# Altium PCB MAIN.PcbDoc (part 1 of 2) (continued)
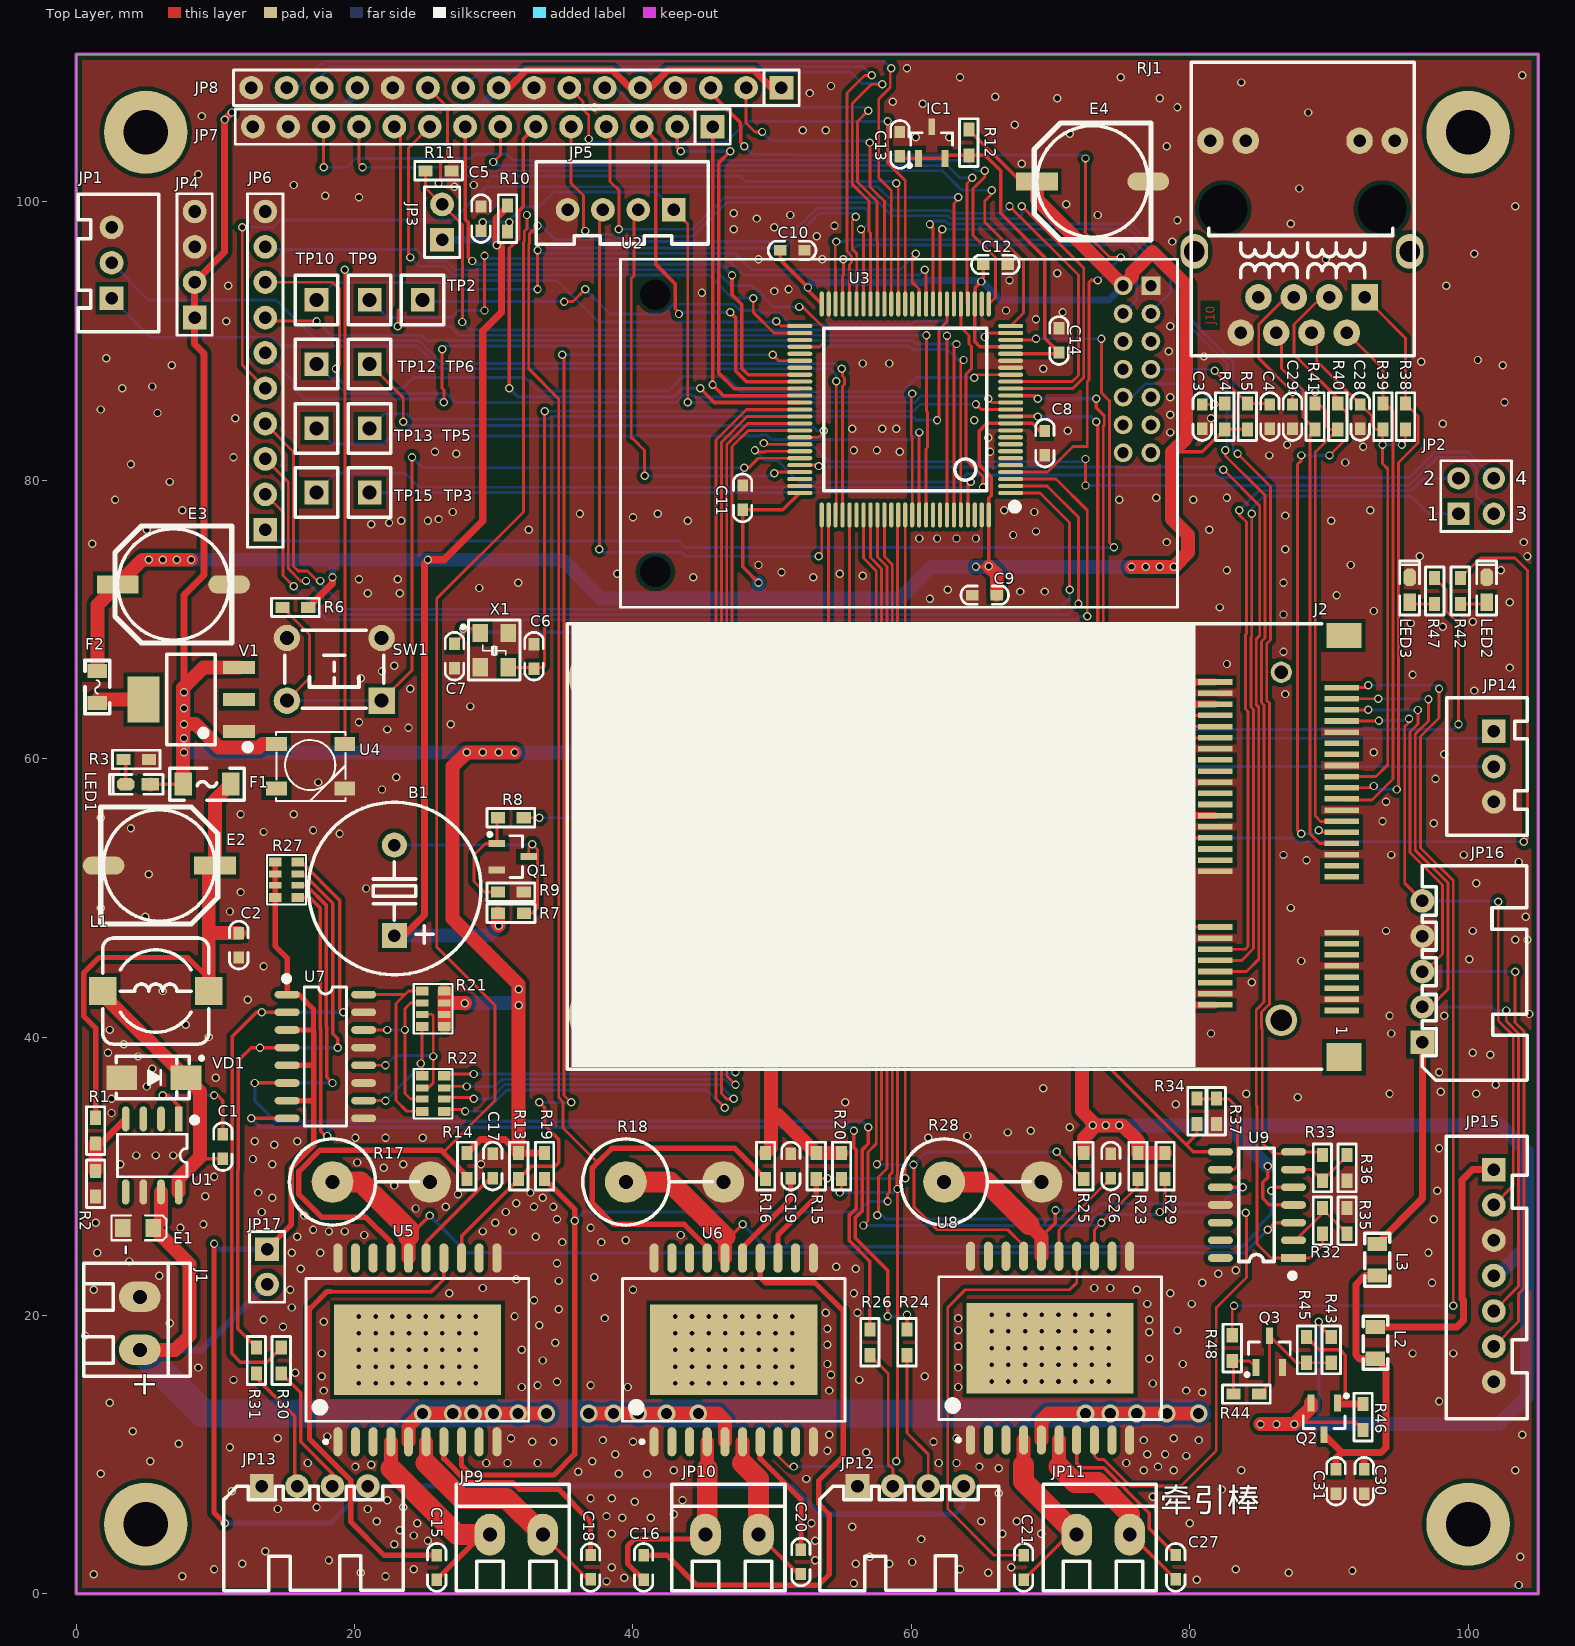
[diagram p0: Top Layer view]
## Footprints (in the part's own frame and the unit in brackets; to place one, negate y for a bottom-side part, rotate by r counter-clockwise, add the part's x,y. Pads: shape width x height; smd on the part's side, far side on the other; paste and mask are expansions set on the pad) (continued)
SMA [mm]
  rect 2.2x1.75 smd: 1(-2.3,0) 2(2.3,0)
  silkscreen extent -2.7,-1.52 3.56,1.52, body extent -2.53,-1.3 2.58,1.3, height 2.15
SO_POWERSO20 [mm]
  oval 2.1x0.65 smd: 1(-6.6,5.715) 2(-6.6,4.445) 3(-6.6,3.175) 4(-6.6,1.905) 5(-6.6,0.635) 6(-6.6,-0.635) 7(-6.6,-1.905) 8(-6.6,-3.175) 9(-6.6,-4.445) 10(-6.6,-5.715) 11(6.6,-5.715) 12(6.6,-4.445) 13(6.6,-3.175) 14(6.6,-1.905) 15(6.6,-0.635) 16(6.6,0.635) 17(6.6,1.905) 18(6.6,3.175) 19(6.6,4.445) 20(6.6,5.715)
  rect 6.5x12 smd: 21(0,0)
  silkscreen extent -6.73,-8 5.12,8, body extent -5.5,-8 5.5,8, height 3.6
SOP8_N [mm]
  rect 1.8x0.55 smd: 1(-2.625,1.905)
  oval 1.8x0.55 smd: 2(-2.625,0.635) 3(-2.625,-0.635) 4(-2.625,-1.905) 5(2.625,-1.905) 6(2.625,-0.635) 7(2.625,0.635) 8(2.625,1.905)
  silkscreen extent -2.69,-2.5 1.52,3.2, body extent -3,-2.5 3,2.5, height 1.9
SOP14_n [mm]
  rect 1.8x0.55 smd: 1(-2.625,3.81)
  oval 1.8x0.55 smd: 2(-2.625,2.54) 3(-2.625,1.27) 4(-2.625,0) 5(-2.625,-1.27) 6(-2.625,-2.54) 7(-2.625,-3.81) 8(2.625,-3.81) 9(2.625,-2.54) 10(2.625,-1.27) 11(2.625,0) 12(2.625,1.27) 13(2.625,2.54) 14(2.625,3.81)
  silkscreen extent -2.67,-4.06 1.31,5.21, body extent -3,-4.35 3,4.35, height 1.9
SOP16_n [mm]
  oval 1.8x0.55 smd: 1(-2.75,4.445) 2(-2.75,3.175) 3(-2.75,1.905) 4(-2.75,0.635) 5(-2.75,-0.635) 6(-2.75,-1.905) 7(-2.75,-3.175) 8(-2.75,-4.445) 9(2.75,-4.445) 10(2.75,-3.175) 11(2.75,-1.905) 12(2.75,-0.635) 13(2.75,0.635) 14(2.75,1.905) 15(2.75,3.175) 16(2.75,4.445)
  silkscreen extent -2.95,-5 1.52,5.74, body extent -3,-5 3,5, height 1.9
SOT23-3N [mm]
  rect 0.5x1.2 smd: 1(-0.95,-1.143) 2(0.95,-1.143) 3(0,1.143)
  silkscreen extent -1.72,-1.78 1.5,0.7, body extent -1.5,-1.2 1.5,1.2, height 1.05
SOT223_M [mm]
  rect 0.95x2.3 smd: 1(-2.3,-3.429) 2(0,-3.429) 3(2.3,-3.429)
  rect 3.3x2.3 smd: 2(0,3.429)
  silkscreen extent -3.63,-4.26 3.25,1.75, body extent -3.25,-3.51 3.25,3.51, height 1.65
"TEST TP1.4_BK" [mm]
  rect 1.7x1.7 hole 1: 1(0,0)
  silkscreen extent -1.78,-1.52 1.78,1.52, body extent -1.67,-1.4 1.67,1.4, height 5.41
"TSW DIP-6*6*6" [mm]
  rect 1.9x1.9 hole 1: 1(-3.4,2.25)
  round 1.9 hole 1: 2(-3.4,-2.25) 3(3.4,-2.25) 4(3.4,2.25)
  silkscreen extent -3.56,-2.79 3.56,2.79, body extent -4.11,-3 4.11,3, height 5.95
USR-WIFI232-A/B/D [mm]
  round 0 hole 2.2: 0(35.6,0.65) 0(35.6,20.55)
  rect 1.35x1.35 hole 0.8: 1(0,0)
  round 1.35 hole 0.8: 2(2,0) 3(0,2) 4(2,2) 5(0,4) 6(2,4) 7(0,6) 8(2,6) 9(0,8) 10(2,8) 11(0,10) 12(2,10) 13(0,12) 14(2,12)
  silkscreen extent -1.9,-1.9 38.1,23.1, body extent -1.91,-1.9 3.08,23.07, height 1.7
WS2812 [mm]
  rect 1.5x1 smd: 1(-0.079,-0.023) 2(-0.079,-3.223) 3(4.821,-3.223) 4(4.821,-0.023)
  silkscreen extent -0.13,-4.14 4.87,0.84
XH2.54-3P [mm]
  rect 1.7x1.7 hole 0.9: 1(0,0)
  round 1.7 hole 0.9: 2(2.54,0) 3(5.08,0)
  silkscreen extent -2.41,-3.38 7.47,2.39, body extent -2.5,-3.3 7.58,2.4, height 7.03
XH2.54-4P [mm]
  rect 1.7x1.7 hole 0.9: 1(0,0)
  round 1.7 hole 0.9: 2(2.54,0) 3(5.08,0) 4(7.62,0)
  silkscreen extent -2.49,-3.45 9.88,2.49, body extent -2.5,-3.3 10.12,2.4, height 7.03
XH2.54-4P_H [mm]
  rect 1.7x1.7 hole 0.9: 1(0,0)
  round 1.7 hole 0.9: 2(2.54,0) 3(5.08,0) 4(7.62,0)
  silkscreen extent -2.72,-7.53 10.16,0, body extent -2.5,-7.35 10.12,0.35, height 5.73
XH2.54-5P_H [mm]
  rect 1.7x1.7 hole 0.9: 1(0,0)
  round 1.7 hole 0.9: 2(2.54,0) 3(5.08,0) 4(7.62,0) 5(10.16,0)
  silkscreen extent -2.72,-7.53 12.7,0, body extent -2.5,-7.35 12.66,0.35, height 5.73
XH2.54-7P [mm]
  rect 1.7x1.7 hole 0.9: 1(0,0)
  round 1.7 hole 0.9: 2(2.54,0) 3(5.08,0) 4(7.62,0) 5(10.16,0) 6(12.7,0) 7(15.24,0)
  silkscreen extent -2.39,-3.43 17.91,2.39, body extent -2.5,-3.3 17.74,2.4, height 7.05
XTAL-3225 [mm]
  rect 1.1x1.3 smd: 1(-0.051,0.076) 2(-0.051,-2.388) 3(1.956,-2.388) 4(1.956,0.076)
  silkscreen extent -1.4,-3.3 2.79,1.02, body extent -0.34,-2.74 2.16,0.46, height 0.8

## Part data
LED1 LED2 LED3: library part LED-S
U1: library part TPS5430
U5 U6 U8: "电机驱动H桥"

## Free pads (board coordinates)
  round 6 hole 3.2: 0(5,5) 0(5,105) 0(100,5) 0(100,105)

## Via types
v1: diameter 0.6, hole 0.4, Top Layer to Bottom Layer, 826 vias
v2: diameter 0.66, hole 0.33, Top Layer to Bottom Layer, tented top, 120 vias
v3: diameter 1.27, hole 0.8, Top Layer to Bottom Layer, 16 vias

## Nets (pads, with @x,y where several pads share a name; then routed paths per layer and width w, separated by ;. In a path a pad name is that pad's centre, name@x,y a point inside that pad or via, vN(x,y) a via of type N, cw(c..) or ccw(c..) an arc to the next point about the centre after c; other vN are vias at no path point)
3.3V: B1.1 C8.2 C9.2 C10.2 C11.2 C12.2 E3.1 E4.1 F2.2 JP3.1 R4.1 R5.1 R6.1 R7.2 R10.2 R12.1 U2.2 U3.11 U3.22 U3.28 U3.50 U3.75 U3.100 | length 284.1
  Top Layer w0.254: v1(49.022,72.644) 47.879,73.787 C11.2@47.879,77.876 50.774,77.876 U3.75@51.988,79.09 ; C10.2@50.571,96.52 50.571,95.86 v1(52.578,93.853) 52.578,93.651 U3.50@53.563,92.666 ; R12.1@64.135,105.194 67.856,101.473 E4.1@69.025,101.473 ; v1(64.643,73.787) 65.532,73.787 v1(65.563,73.818) U3.100@65.563,77.515 65.563,78.704 65.756,78.897 65.756,80.234 64.897,81.093 64.897,83.566 65.421,84.09 U3.11@67.138,84.09 68.691,84.09 69.24,83.541 C8.2@69.596,83.541 ; C12.2@65.176,95.504 65.176,94.439 64.608,93.87 64.608,92.711 U3.28@64.563,92.666 64.549,92.652 64.549,89.969 64.928,89.59 U3.22@67.138,89.59 ; 78.74,82.042 80.91,82.042 R4.1@82.523,83.655 R5.1@84.146,83.655
  Top Layer w0.508: R6.1@16.675,70.866 18.415,72.606 v1(18.415,73.025) ; B1.1@22.86,47.296 23.547,47.296 25.019,48.768 25.019,74.041 v1(25.273,74.295) 26.416,74.295 29.21,77.089 29.21,90.729 30.556,92.075 30.556,96.792 30.156,97.192 30.156,98.819 30.988,99.651 R10.2@30.988,99.733
  Top Layer w1: F2.2@1.524,66.294 1.524,71.056 E3.1@2.985,72.517 4.763,74.295 v1(5.207,74.295) v1(6.223,74.295) v1(7.239,74.295) v1(8.255,74.295) ; R7.2@30.315,48.895 30.315,48.044 v1(30.353,48.006) ; v1(65.563,73.818) 66.142,73.239 C9.2@66.142,71.755 ; E4.1@69.025,101.473 69.025,100.171 U2.2@75.216,93.98 75.863,94.627 75.863,94.936 77.332,96.404 79.756,93.98 79.756,83.058 78.74,82.042 78.74,77.216 79.883,76.073 79.883,74.803 v1(78.867,73.787) v1(77.851,73.787) v1(76.835,73.787) v1(75.819,73.787)
  Bottom Layer w0.508: v1(18.415,73.025) 18.415,74.295 ; JP3.1@26.289,97.282 29.845,97.282 v1(30.226,96.901) ; v1@52.451,93.853 52.807,94.209 60.8,94.209 60.952,94.361 65.024,94.361 66.421,92.964 74.2,92.964 U2.2@75.216,93.98
  Bottom Layer w1: v1(5.207,74.295) v1(6.223,74.295) v1(7.239,74.295) v1(8.255,74.295) 18.415,74.295 v1(25.273,74.295) 34.925,74.295 37.702,71.518 49.022,71.518 ; B1.1@22.86,47.296 29.643,47.296 v1(30.353,48.006) ; v1(49.022,72.644) 49.022,71.518 ; v1@78.74,73.787 v1(77.851,73.787) v1(76.835,73.787) v1(75.819,73.787) v1(64.643,73.787) 61.468,73.787 59.199,71.518 49.022,71.518
  other v1: 65.024,94.286
5V: F1.2 J2.2 J2.28 J2.48 J2.52 JP4.1 JP4.2 JP8.1 JP8.5 JP8.9 JP8.13 JP15.4 LED1.1 Q2.2 R13.2 R14.2 R15.2 R16.2 R19.2 R20.2 R21.5 R21.6 R21.7 R21.8 R23.2 R25.2 R29.2 R43.2 R46.1 U4.1 U9.4 V1.3 | length 449.9
  Top Layer w0.254: LED1.1@5.34,58.166 F1.2@7.683,58.166 ; v1(85.598,30.734) 85.598,29.912 85.247,29.561 85.247,28.418 85.725,27.94 U9.4@87.461,27.94 ; v1(87.503,12.192) 87.646,12.335 91.894,12.335 R46.1@92.456,11.773 ; v1(89.281,19.558) 89.281,19.342 R43.2@90.17,18.453
  Top Layer w0.508: v1(7.747,64.77) 7.747,65.151 7.747,71.755 9.187,73.195 9.187,89.111 8.509,89.789 JP4.1@8.509,91.694 JP4.2@8.509,94.234 10.668,96.393 v1(10.668,105.918) v1(11.176,106.426) ; R14.2@28.067,31.662 29.044,32.639 30.816,32.639 R13.2@31.792,31.662 R19.2@33.655,31.662 ; JP8.9@30.353,108.204 31.08,108.204 32.362,109.486 38.504,109.486 39.786,108.204 JP8.5@40.513,108.204 41.24,108.204 42.522,109.486 48.664,109.486 49.946,108.204 JP8.1@50.673,108.204 ; v1(74.422,60.452) v1(75.184,60.452) v1(75.946,60.452) v1(76.708,60.452) ; J2.2@81.832,42.31 81.813,42.291 77.724,42.291 76.708,43.307 76.708,55.88 ; J2.28@81.832,55.91 76.738,55.91 76.708,55.88 ; J2.48@81.832,63.91 78.203,63.91 78.105,64.008 ; J2.52@81.832,65.51 78.718,65.51 78.105,64.897 78.105,64.008 ; 76.708,55.88 v1(76.708,60.452) ; v1(76.708,60.452) 78.105,61.849 78.105,64.008
  Top Layer w1: LED1.1@5.334,58.159 LED1.1@5.34,58.166 ; F1.2@7.683,58.166 7.683,65.087 7.747,65.151 9.158,66.562 V1.3@11.684,66.562 ; v1(7.747,62.484) 8.578,62.484 10.253,60.809 13.115,60.809 13.37,61.064 U4.1@14.399,61.064 ; R21.5@26.454,40.757 R21.6@26.454,41.637 R21.7@26.454,42.437 ; R21.8@26.454,43.317 R21.7@26.454,42.437 ; v1@27.94,42.418 v1(27.921,42.437) R21.7@26.454,42.437 ; v1(31.496,60.452) v1(30.353,60.452) v1(29.21,60.452) v1(28.067,60.452) 27.051,59.436 27.051,48.514 31.792,43.773 v1(31.792,43.434) v1(31.792,42.291) R13.2@31.792,31.662 ; R16.2@49.53,31.662 49.911,32.043 49.911,34.417 ; v1(51.181,60.452) v1(49.911,60.452) 49.911,34.417 ; R20.2@54.991,31.662 R15.2@53.171,31.662 50.416,34.417 49.911,34.417 ; v1(71.12,60.452) v1(72.263,60.452) 72.263,34.671 v1@73.279,33.655 ; R25.2@72.39,31.662 72.39,32.766 v1@73.279,33.655 ; R29.2@78.232,31.662 R23.2@76.285,31.662 76.285,32.554 75.184,33.655 v1(74.93,33.655) v1(73.977,33.655) v1@73.279,33.655 ; v1(85.09,12.192) v1(86.233,12.192) v1(87.503,12.192) ; v1@87.646,12.335 88.712,13.401 Q2.2@88.712,13.716
  Bottom Layer w0.254: 88.646,12.192 89.281,12.827 v1(89.281,19.558)
  Bottom Layer w0.508: v1(10.668,105.918) v1(11.176,106.426) 11.557,106.807 19.177,106.807 ; JP8.13@20.193,108.204 20.193,107.823 19.177,106.807 ; JP8.9@30.353,108.204 28.956,106.807 19.177,106.807
  Bottom Layer w1: v1(7.747,64.77) v1(7.747,63.627) v1(7.747,62.484) v1(7.747,61.468) v1(7.747,60.452) v1(28.067,60.452) v1(29.21,60.452) v1(30.353,60.452) v1(31.496,60.452) v1(49.911,60.452) v1(51.181,60.452) v1(71.12,60.452) v1(72.263,60.452) v1(74.422,60.452) v1(75.184,60.452) v1(75.946,60.452) 76.581,60.452 76.708,60.579 v1(76.708,60.452) ; v1(27.921,42.437) 31.646,42.437 v1(31.792,42.291) v1(31.792,43.434) ; v1(73.025,33.655) v1(73.977,33.655) v1(74.93,33.655) 82.677,33.655 ; v1(85.09,12.192) v1(86.233,12.192) v1(87.503,12.192) 88.646,12.192 102.235,12.192 104.224,14.181 104.224,24.976 ; v1(85.598,30.734) 82.677,33.655 ; JP15.4@102.108,22.86 104.224,24.976 ; 82.677,33.655 102.362,33.655 104.224,31.793 104.224,24.976
BEEP_PWM: R8.1 U3.77 | length 43.7
  Top Layer w0.203: R8.1@32.157,55.753 v1(33.274,55.753) ; U3.77@54.063,77.515 54.063,55.792 v1(54.102,55.753)
  Bottom Layer w0.203: v1(33.274,55.753) v1(54.102,55.753)
BOOT0: JP3.2 R11.1 U3.94 | length 60.3
  Top Layer w0.203: R11.1@25.108,102.235 25.108,101.003 JP3.2@26.289,99.822 27.749,98.361 v1(27.749,91.376) ; U3.94@62.563,77.515 v1(62.563,90.376) v1@62.611,90.424
  Bottom Layer w0.203: v1(27.749,91.376) 28.321,90.805 60.198,90.805 60.452,91.059 61.88,91.059 v1(62.563,90.376)
CA: R17.1 U5.16 U9.3 | length 75.1
  Top Layer w0.254: 23.876,25.654 v1(25.4,27.178) ; v1(85.598,26.162) 86.106,26.67 U9.3@87.461,26.67
  Top Layer w1: U5.16@23.876,24.126 23.876,25.654
  Top Layer w1.5: R17.1@18.415,29.591 20.447,29.591 23.876,26.162 23.876,25.654
  Bottom Layer w0.254: v1(25.4,27.178) 28.067,24.511 83.947,24.511 v1(85.598,26.162)
CB: R18.1 U6.16 U9.5 | length 55.1
  Top Layer w0.254: 46.609,25.654 46.99,25.654 v1(47.879,26.543) ; v1(85.852,28.956) 86.106,29.21 U9.5@87.461,29.21
  Top Layer w1: U6.16@46.609,24.126 46.609,25.654
  Top Layer w1.5: R18.1@39.497,29.591 42.672,29.591 46.609,25.654
  Bottom Layer w0.254: v1(47.879,26.543) 49.479,24.943 83.768,24.943 84.963,26.138 84.963,26.416 85.852,27.305 v1(85.852,28.956)
CBUSY: J2.8 U3.71 | length 70.5
  Top Layer w0.203: U3.71@51.988,81.09 53.276,81.09 v1(53.34,81.026) ; J2.8@81.832,44.71 84.08,44.71 84.963,45.593 84.963,63.692 84.779,63.877 84.779,68.584 85.034,68.84 85.034,78.161 v1(82.423,80.772)
  Bottom Layer w0.203: v1(53.34,81.026) 53.415,80.951 81.99,80.951 82.042,80.899 82.296,80.899 v1(82.423,80.772)
CC: R28.1 U8.16 U9.10 | length 27.7
  Top Layer w0.254: 69.342,25.654 70.358,26.67 v1(70.358,27.559) ; U9.10@82.211,29.21 v1(83.82,29.21)
  Top Layer w1: 68.707,26.289 69.342,25.654 U8.16@69.342,24.253
  Top Layer w1.5: R28.1@62.357,29.591 65.405,29.591 68.453,26.543
  Bottom Layer w0.254: v1(70.358,27.559) 73.155,27.559 73.633,28.037 82.266,28.037 83.439,29.21 v1(83.82,29.21)
CRX: J2.10 JP2.1 | length 50.7
  Top Layer w0.203: J2.10@81.832,45.51 83.737,45.51 84.582,46.355 84.582,63.535 84.398,63.719 84.398,68.742 84.455,68.799 v1(84.455,77.597)
  Bottom Layer w0.203: v1(84.455,77.597) 84.455,77.724 84.328,77.851 85.344,78.867 95.885,78.867 97.155,77.597 JP2.1@99.314,77.597
CTX: J2.12 JP2.2 | length 50.8
  Top Layer w0.203: J2.12@81.832,46.31 83.998,46.31 84.201,46.513 84.201,63.377 84.017,63.561 84.017,68.9 84.074,68.957 84.074,77.003 83.566,77.511 v1(83.566,77.851)
  Bottom Layer w0.203: v1(83.566,77.851) 84.963,79.248 95.916,79.248 96.805,80.137 JP2.2@99.314,80.137
CURA: R32.2 U3.33 U9.1 | length 102.9
  Top Layer w0.203: U3.33@62.063,92.666 62.063,98.171 62.19,98.044 v1(62.23,98.044) ; v1(82.55,82.169) 82.55,81.788 85.415,78.923 85.415,68.682 85.16,68.426 85.16,64.035 85.344,63.85 85.344,42.522 84.779,41.957 84.779,35.109 ; 84.836,35.052 84.836,25.146 85.852,24.13 U9.1@87.461,24.13 88.646,24.13 89.535,25.019 R32.2@89.535,25.87
  Bottom Layer w0.203: v1(62.23,98.044) 75.661,98.044 79.053,94.653 79.053,92.016 82.677,88.392 82.677,82.296 v1(82.55,82.169)
CURB: R33.2 U3.34 U9.7 | length 95.6
  Top Layer w0.203: v1(61.341,98.393) 61.563,98.171 U3.34@61.563,92.666 ; v1(83.439,81.915) 85.796,79.558 85.796,68.524 85.541,68.269 85.541,64.192 85.725,64.008 85.725,42.365 85.16,41.799 85.16,40.621 85.217,40.563 85.217,32.385 85.979,31.623 87.334,31.623 U9.7@87.461,31.75 89.319,31.75 R33.2@89.535,31.534
  Bottom Layer w0.203: v1(61.341,98.393) 61.571,98.623 62.47,98.623 62.668,98.425 75.819,98.425 79.502,94.742 79.502,92.106 83.129,88.478 83.129,82.098 v1@83.185,82.042
CURC: R34.2 U3.15 U9.8 | length 67
  Top Layer w0.203: 73.787,38.227 73.787,83.89 73.858,83.961 73.858,84.638 73.787,84.709
  Top Layer w0.254: U3.15@67.138,86.09 68.834,86.09 v1(69.072,85.852) ; v1(73.279,85.852) 73.279,85.217 73.787,84.709 ; 73.787,38.227 79.756,32.258 ; R34.2@80.518,33.744 80.518,33.02 79.756,32.258 ; U9.8@82.211,31.75 80.264,31.75 79.756,32.258
  Bottom Layer w0.254: v1(69.072,85.852) v1(73.279,85.852)
DRX: J2.46 JP14.2 | length 29.9
  Top Layer w0.203: v1@79.121,63.119 v1(79.13,63.11) J2.46@81.832,63.11
  Bottom Layer w0.203: v1(79.13,63.11) 78.232,62.212 78.232,60.198 78.994,59.436 JP14.2@101.854,59.436
DTX: J2.42 JP14.1 | length 25.7
  Top Layer w0.203: v1(79.121,61.468) 79.163,61.51 J2.42@81.832,61.51
  Bottom Layer w0.203: v1(79.121,61.468) 101.346,61.468 JP14.1@101.854,61.976
ENABLE_A: R14.1 U3.45 U5.17 | length 130.5
  Top Layer w0.203: 26.375,31.709 30.099,35.433 30.099,42.291 25.908,46.482 25.908,71.501 32.131,77.724 32.131,97.108 32.187,97.164 32.187,97.876 32.385,98.075 v1(32.385,99.06) ; v1(56.007,98.933) 55.753,98.679 55.753,96.608 56.078,96.283 56.078,92.681 U3.45@56.063,92.666
  Top Layer w0.381: U5.17@22.606,24.126 22.606,25.273 20.828,27.051 17.653,27.051 16.002,28.702 16.002,30.353 17.526,31.877 26.208,31.877 26.375,31.709 28.067,30.018 R14.1@28.067,29.808
  Bottom Layer w0.203: v1(32.385,99.06) 32.385,98.241 33.923,96.703 50.886,96.703 53.371,99.187 55.753,99.187 v1(56.007,98.933)
ENABLE_B: R16.1 U3.44 U6.17 | length 128.9
  Top Layer w0.203: v1(33.147,98.298) 32.568,97.719 32.568,97.006 32.512,96.95 32.512,88.011 34.671,85.852 34.671,35.656 34.981,35.347 34.981,33.472 37.465,30.988 ; v1@56.388,98.059 v1(56.388,98.044) 56.563,97.869 U3.44@56.563,92.666
  Top Layer w0.381: U6.17@45.339,24.126 45.339,24.892 43.688,26.543 38.608,26.543 37.084,28.067 37.084,30.607 37.465,30.988 38.481,32.004 47.334,32.004 R16.1@49.53,29.808
  Bottom Layer w0.203: v1(33.147,98.298) 33.401,98.298 34.417,97.282 38.393,97.282 38.591,97.084 39.387,97.084 39.458,97.155 50.8,97.155 53.213,99.568 56.658,99.568 56.896,99.33 56.896,98.425 56.515,98.044 v1(56.388,98.044)
ENABLE_C: R25.1 U3.83 U8.17 | length 76
  Top Layer w0.203: U3.83@57.063,77.515 57.063,74.447 57.868,73.643 57.868,31.198 v1(57.531,30.861) ; v1@60.198,30.821 60.198,27.813 61.849,26.162 66.929,26.162 68.072,25.019 U8.17@68.072,24.253 ; v1(70.448,31.75) R25.1@72.39,29.808
  Bottom Layer w0.203: v1(57.531,30.861) v1(60.158,30.821) 61.087,31.75 v1(70.448,31.75)
ETH_RREF: C29.2 J2.27 R40.1 R41.1 RJ1.5 | length 46.3
  Top Layer w0.203: C29.2@87.389,85.445 v1(87.389,86.347) 84.963,88.773 84.963,91.186 86.54,92.763 RJ1.5@87.863,92.763 ; v1(89.027,86.36) 89.014,86.347 R41.1@89.014,85.509 89.243,85.509 89.789,84.963 89.789,83.947 90.081,83.655 R40.1@90.636,83.655 89.027,82.046 89.027,55.88 89.408,55.499 90.921,55.499 J2.27@90.932,55.51
  Bottom Layer w0.203: v1(87.389,86.347) 89.014,86.347 v1(89.027,86.36)
ETH_RX+: J2.25 R40.2 RJ1.3 | length 47.6
  Top Layer w0.203: v1(88.011,54.61) 87.757,54.864 87.757,81.153 88.011,81.407 v1(88.011,81.788) ; v1(89.281,54.864) 89.435,54.71 J2.25@90.932,54.71 ; v1(90.043,81.788) 91.123,82.867 91.152,82.867 91.316,83.031 91.316,84.279 91.313,84.281 91.313,84.832 R40.2@90.636,85.509 90.636,85.894 87.503,89.027 87.503,91.186 89.08,92.763 RJ1.3@90.403,92.763
  Bottom Layer w0.203: v1(88.011,54.61) 89.027,54.61 v1(89.281,54.864) ; v1(88.011,81.788) v1(90.043,81.788)
ETH_RX-: J2.23 R41.2 RJ1.6 | length 39.3
  Top Layer w0.203: RJ1.6@86.593,90.223 86.593,88.032 88.138,86.487 88.138,84.546 89.014,83.67 R41.2@89.014,83.655 88.646,83.287 88.646,54.61 89.346,53.91 J2.23@90.932,53.91
ETH_TREF: C28.2 J2.35 R38.1 R39.1 RJ1.4 | length 39.4
  Top Layer w0.203: RJ1.4@89.133,90.223 89.133,88.569 C28.2@92.257,85.445 93.091,84.611 93.091,83.947 93.383,83.655 R39.1@93.881,83.655 93.853,83.627 v1(93.853,82.55) 93.853,81.215 94.234,80.834 94.234,59.563 93.381,58.71 J2.35@90.932,58.71 ; v1(95.25,82.55) 95.504,82.804 R38.1@95.504,83.655
  Bottom Layer w0.203: v1(93.853,82.55) v1(95.25,82.55)
ETH_TX+: J2.33 R38.2 RJ1.1 | length 41.1
  Top Layer w0.203: J2.33@90.932,57.91 93.089,57.91 v1(93.218,58.039) ; RJ1.1@92.943,92.763 95.504,90.202 R38.2@95.504,85.509 96.393,84.62 96.393,82.677 94.996,81.28 94.996,57.912 v1(94.869,57.785)
  Bottom Layer w0.203: v1(93.218,58.039) 93.472,57.785 v1(94.869,57.785)
ETH_TX-: J2.31 R39.2 RJ1.2 | length 37.4
  Top Layer w0.203: J2.31@90.932,57.11 91.019,57.023 93.091,57.023 94.615,58.547 94.615,84.963 94.069,85.509 R39.2@93.881,85.509 93.881,88.015 RJ1.2@91.673,90.223
GND: C2.1 C3.1 C4.1 C5.2 C6.2 C7.2 C8.1 C9.1 C10.1 C11.1 C12.1 C13.1 C14.1 C17.1 C19.1 C26.1 C28.1 C29.1 C30.1 C31.1 E1.2 E2.2 E3.2 E4.2 IC1.3 J1.1 J2.3 J2.4 J2.9 J2.14 J2.15 J2.18 J2.21 J2.26 J2.29 J2.34 J2.37 J2.40 J2.43 J2.50 J2.53 J2.54 JP1.3 JP4.3 JP4.4 JP5.4 JP6.10 JP7.13 JP7.14 JP8.4 JP8.8 JP8.12 JP8.16 JP12.1 JP13.1 JP14.3 JP15.3 JP15.7 JP16.4 LED2.2 LED3.2 Q1.2 Q3.2 R2.1 R3.1 R9.2 R11.2 R17.2 R18.2 R28.2 R35.1 R36.1 R37.1 RJ1.8 RJ1.9 RJ1.10 RJ1.11 RJ1.12 SW1.2 SW1.3 U1.6 U2.1 U3.10 U3.19 U3.20 U3.27 U3.49 U3.74 U3.99 U4.3 U5.1 U5.10 U5.11 U5.20 U6.1 U6.10 U6.11 U6.20 U7.9 U7.11 U7.13 U7.15 U8.1 U8.10 U8.11 U8.20 U9.11 V1.1 VD1.1 X1.2 X1.4
  other v1: 103.632,0.635 55.88,0.762 38.1,0.889 80.518,1.016 39.37,1.143 7.62,1.27 22.225,1.27 1.27,1.397 20.447,1.524 65.532,1.524 87.122,1.524 91.694,1.651 9.906,1.778 24.257,1.778 63.5,1.778 83.312,1.778 38.481,1.905 67.183,1.905 11.938,2.159 56.007,2.159 58.42,2.159 60.071,2.286 18.161,2.413 53.086,2.413 57.023,2.667 103.759,2.667 13.589,3.048 22.86,3.556 25.273,3.81 53.086,3.81 60.706,3.937 24.257,4.191 38.481,4.318 66.548,4.318 69.342,4.318 23.241,4.572 55.753,4.826 24.511,5.08 52.832,5.08 80.01,5.08 21.59,5.207 65.024,5.207 67.564,5.207 39.243,5.461 41.275,5.461 38.1,5.588 42.926,5.715 14.478,6.096 20.955,6.096 17.272,6.223 23.495,6.223 40.132,6.604 22.352,6.731 43.561,6.731 36.957,6.858 38.481,6.858 77.343,6.985 66.294,7.239 11.176,7.366 82.296,7.493 52.451,8.255 1.778,8.636 38.989,8.636 41.021,8.636 36.068,8.763 42.926,8.89 76.708,8.89 78.867,8.89 83.693,8.89 103.378,8.89 66.294,9.017 20.066,9.144 64.897,9.144 77.724,9.144 21.209,9.271 16.637,9.398 29.464,9.398 30.988,9.398 33.147,9.398 61.976,9.398 63.246,9.398 75.438,9.398 5.334,9.525 37.084,9.525 79.756,9.906 38.735,10.033 76.962,10.033 78.232,10.033 56.769,10.16 53.975,10.287 11.049,10.541 7.366,10.795 32.766,10.922 34.29,10.922 40.005,10.922 61.595,10.922 37.846,11.049 76.708,11.049 80.645,11.049 14.478,11.176 31.242,11.176 63.246,11.176 78.867,11.176 18.034,11.303 54.102,11.43 103.886,11.43 4.064,11.684 2.413,13.716 97.917,13.843 80.899,14.478 17.78,14.605 54.102,14.605 79.756,14.605 32.004,14.859 39.624,14.859 63.373,14.859 33.147,14.986 36.957,14.986 77.343,15.113 34.544,15.24 11.303,15.367 56.261,15.367 17.653,15.621 60.96,15.621 54.229,15.748 15.748,15.875 8.763,16.256 63.373,16.256 53.975,16.51 79.502,16.51 33.528,16.764 77.089,16.891 17.653,17.272 96.012,17.272 98.933,17.272 32.004,17.526 63.373,17.78 53.975,17.907 34.417,18.034 0.635,18.542 77.089,18.796 63.373,18.923 79.121,18.923 53.975,19.05 14.859,19.177 33.274,19.304 6.731,19.431 17.78,19.558 13.462,19.685 77.089,19.685 37.973,19.812 63.373,19.812 31.496,19.939 53.848,20.193 56.134,20.193 34.671,20.447 15.494,20.574 76.962,20.828 80.137,20.828 32.893,21.082 26.797,21.59 55.88,21.59 78.613,21.59 1.27,21.844 15.367,21.844 40.005,21.844 76.2,21.844 29.21,21.971 73.152,21.971 74.295,21.971 80.899,22.352 97.409,22.352 34.671,22.479 31.623,22.606 37.211,22.733 5.969,22.86 82.042,22.987 83.312,23.241 16.129,23.368 56.007,23.368 54.61,23.495 34.544,23.749 3.81,23.876 1.524,24.511 15.494,24.511 17.526,24.511 97.155,24.511 34.925,25.273 37.719,25.273 39.497,25.4 15.875,25.654 33.02,25.654 20.701,25.781 43.434,25.781 18.161,26.035 19.304,26.035 29.21,26.035 31.369,26.035 17.018,26.162 7.493,26.289 36.957,26.289 9.144,26.543 1.397,26.67 30.099,26.67 34.544,26.924 97.536,26.924 16.383,27.178 13.335,27.432 30.861,27.432 24.384,27.686 26.543,27.813 32.893,27.813 34.29,27.813 31.623,28.067 14.097,28.448 33.528,28.448 9.271,28.575 27.432,28.702 13.081,28.829 32.639,28.829 97.79,28.956 22.86,29.337 9.906,29.972 22.098,30.607 3.175,30.861 14.097,30.861 23.495,30.861 29.083,30.861 20.193,30.988 12.7,31.242 4.318,31.496 5.715,31.496 6.985,31.496 97.917,32.004 14.224,32.258 12.827,32.512 15.875,32.512 20.066,32.766 22.225,32.766 24.892,32.766 61.214,32.766 64.008,32.893 66.929,33.147 68.58,33.274 71.374,33.528 2.54,34.544 78.994,35.179 55.245,35.306 2.54,35.56 87.757,35.687 84.074,35.941 94.361,35.941 100.584,35.941 98.044,36.068 69.469,36.322 5.08,36.449 101.981,36.576 10.033,37.084 97.917,37.465 5.461,37.719 75.692,38.354 4.445,38.608 101.6,38.735 2.286,38.862 100.33,38.862 79.121,39.37 3.429,39.497 9.525,40.005 81.534,40.259 94.488,40.259 43.307,40.386 2.413,40.513 53.086,40.64 7.874,40.894 75.057,41.021 64.643,41.275 94.361,41.529 98.298,41.529 104.394,41.656 12.319,42.672 6.223,43.307 68.072,43.434 79.502,43.434 78.105,43.688 84.455,43.942 62.992,44.958 13.462,45.085 88.011,45.466 100.076,45.593 77.597,46.736 79.375,46.736 37.973,46.99 74.803,46.99 103.378,46.99 104.267,46.99 42.418,47.498 48.26,47.498 94.107,47.625 100.33,47.625 4.953,48.641 63.119,48.641 75.565,48.641 104.14,48.641 77.597,48.768 11.049,49.022 1.778,49.276 87.249,49.276 69.723,50.038 11.811,50.419 20.828,50.673 100.584,51.054 5.207,51.689 48.26,51.689 53.848,51.689 64.77,51.816 68.326,51.943 41.529,52.451 43.561,52.451 79.502,52.451 103.632,52.578 88.392,52.705 37.211,52.959 86.741,53.086 94.488,53.086 99.695,53.086 66.167,53.594 48.26,54.483 18.923,54.61 13.462,54.737 17.018,54.864 3.937,54.991 77.597,55.118 61.595,55.245 97.536,55.372 74.803,55.499 93.853,55.499 1.778,55.753 11.811,56.007 15.621,56.007 70.739,56.261 62.23,56.769 77.597,56.769 94.107,56.896 52.197,57.15 79.756,57.15 41.656,57.531 21.971,57.785 60.833,57.912 64.516,58.039 48.26,58.166 68.072,58.166 17.399,58.293 70.231,58.547 97.663,58.547 22.987,58.674 36.576,58.674 44.45,58.674 70.993,59.055 75.438,59.309 77.851,59.436 79.375,60.325 98.298,60.325 93.218,60.452 63.5,61.722 44.958,61.849 36.83,61.976 61.087,61.976 22.352,62.103 69.088,62.103 23.876,62.23 26.924,62.484 52.197,62.484 20.32,62.611 38.735,62.611 75.565,62.611 49.149,63.119 28.321,63.754 70.866,63.754 42.164,64.516 86.868,64.643 51.181,64.897 75.565,64.897 100.457,64.897 24.003,65.024 65.786,65.151 72.263,65.405 61.976,65.532 20.447,65.786 96.012,66.04 67.564,66.167 21.971,66.294 68.834,66.294 49.022,66.548 102.997,66.548 22.86,66.675 51.689,66.675 71.374,66.802 82.677,66.802 52.832,67.437 41.91,67.564 44.577,67.564 86.741,67.691 77.597,67.945 69.215,68.072 72.898,68.072 61.595,68.199 65.024,68.199 75.692,69.215 98.171,69.469 95.885,69.723 100.33,69.85 86.741,70.358 93.218,70.612 82.169,70.866 102.997,71.247 61.341,71.501 90.551,71.755 20.955,71.882 23.241,71.882 67.818,72.009 69.596,72.009 62.611,72.136 28.956,72.263 31.75,72.644 86.741,72.644 20.32,72.898 23.114,72.898 44.323,73.025 52.959,73.025 56.515,73.152 38.862,73.279 54.864,73.279 50.673,73.406 82.677,73.533 102.362,73.533 49.022,73.914 91.567,73.914 96.52,74.549 104.267,74.549 86.868,75.057 1.143,75.438 78.359,75.565 104.013,75.565 60.579,75.819 61.849,75.819 63.246,75.819 64.643,75.819 67.31,76.073 68.961,76.327 5.08,76.454 32.512,76.454 81.407,76.454 21.209,76.835 22.479,76.962 23.368,77.089 25.273,77.089 43.942,77.089 90.17,77.089 26.035,77.216 40.005,77.343 86.868,77.47 36.195,77.597 41.783,77.597 27.051,77.724 68.834,77.724 7.62,77.851 66.675,77.851 92.964,77.851 2.794,78.613 74.93,78.613 80.264,78.613 77.597,78.74 82.677,78.74 6.731,79.883 3.937,81.153 91.186,81.28 11.303,81.661 85.725,81.788 27.305,81.915 25.781,82.042 59.182,82.042 65.659,82.042 55.88,82.169 57.531,82.169 92.456,82.423 86.995,82.55 65.532,83.058 78.613,83.439 71.247,83.566 55.753,83.693 57.912,83.693 58.928,83.693 98.171,84.074 64.516,84.328 11.43,84.455 81.534,84.455 78.613,84.709 5.842,84.836 1.778,85.09 102.616,85.598 78.613,85.979 3.302,86.614 5.461,86.741 69.469,88.011 6.858,88.265 102.489,88.265 56.515,88.392 58.42,88.392 96.647,88.519 100.711,88.646 2.159,88.773 81.026,88.9 78.486,89.281 78.613,91.059 10.795,91.44 68.961,91.567 70.866,92.075 66.802,92.202 44.958,93.472 50.165,93.599 51.181,93.726 10.922,93.98 98.425,93.98 67.056,94.361 70.485,94.869 49.022,95.885 53.594,95.885 89.789,95.885 100.457,96.266 78.74,97.155 53.213,97.536 47.244,98.044 50.165,98.171 54.483,98.298 87.249,98.425 79.121,98.679 48.895,98.806 51.308,99.06 73.406,99.06 47.244,99.187 103.378,99.695 71.12,99.822 20.32,100.33 17.907,100.457 87.884,100.965 27.178,101.092 15.621,101.219 28.575,101.219 8.763,101.981 67.945,102.743 78.359,104.013 60.325,104.648 62.738,104.648 71.374,104.902 52.197,105.156 53.848,105.156 67.437,105.537 9.017,106.172 88.519,106.426 37.239,106.807 79.121,106.807 60.833,107.061 58.674,107.188 70.485,107.442 77.851,107.442 66.04,107.569 52.705,107.823 54.229,108.331 83.693,108.585 63.5,108.966 75.057,108.966 103.886,109.093 59.69,109.601